# Altium PCB Minion_Rev2.PcbDoc (part 11 of 11) (continued)
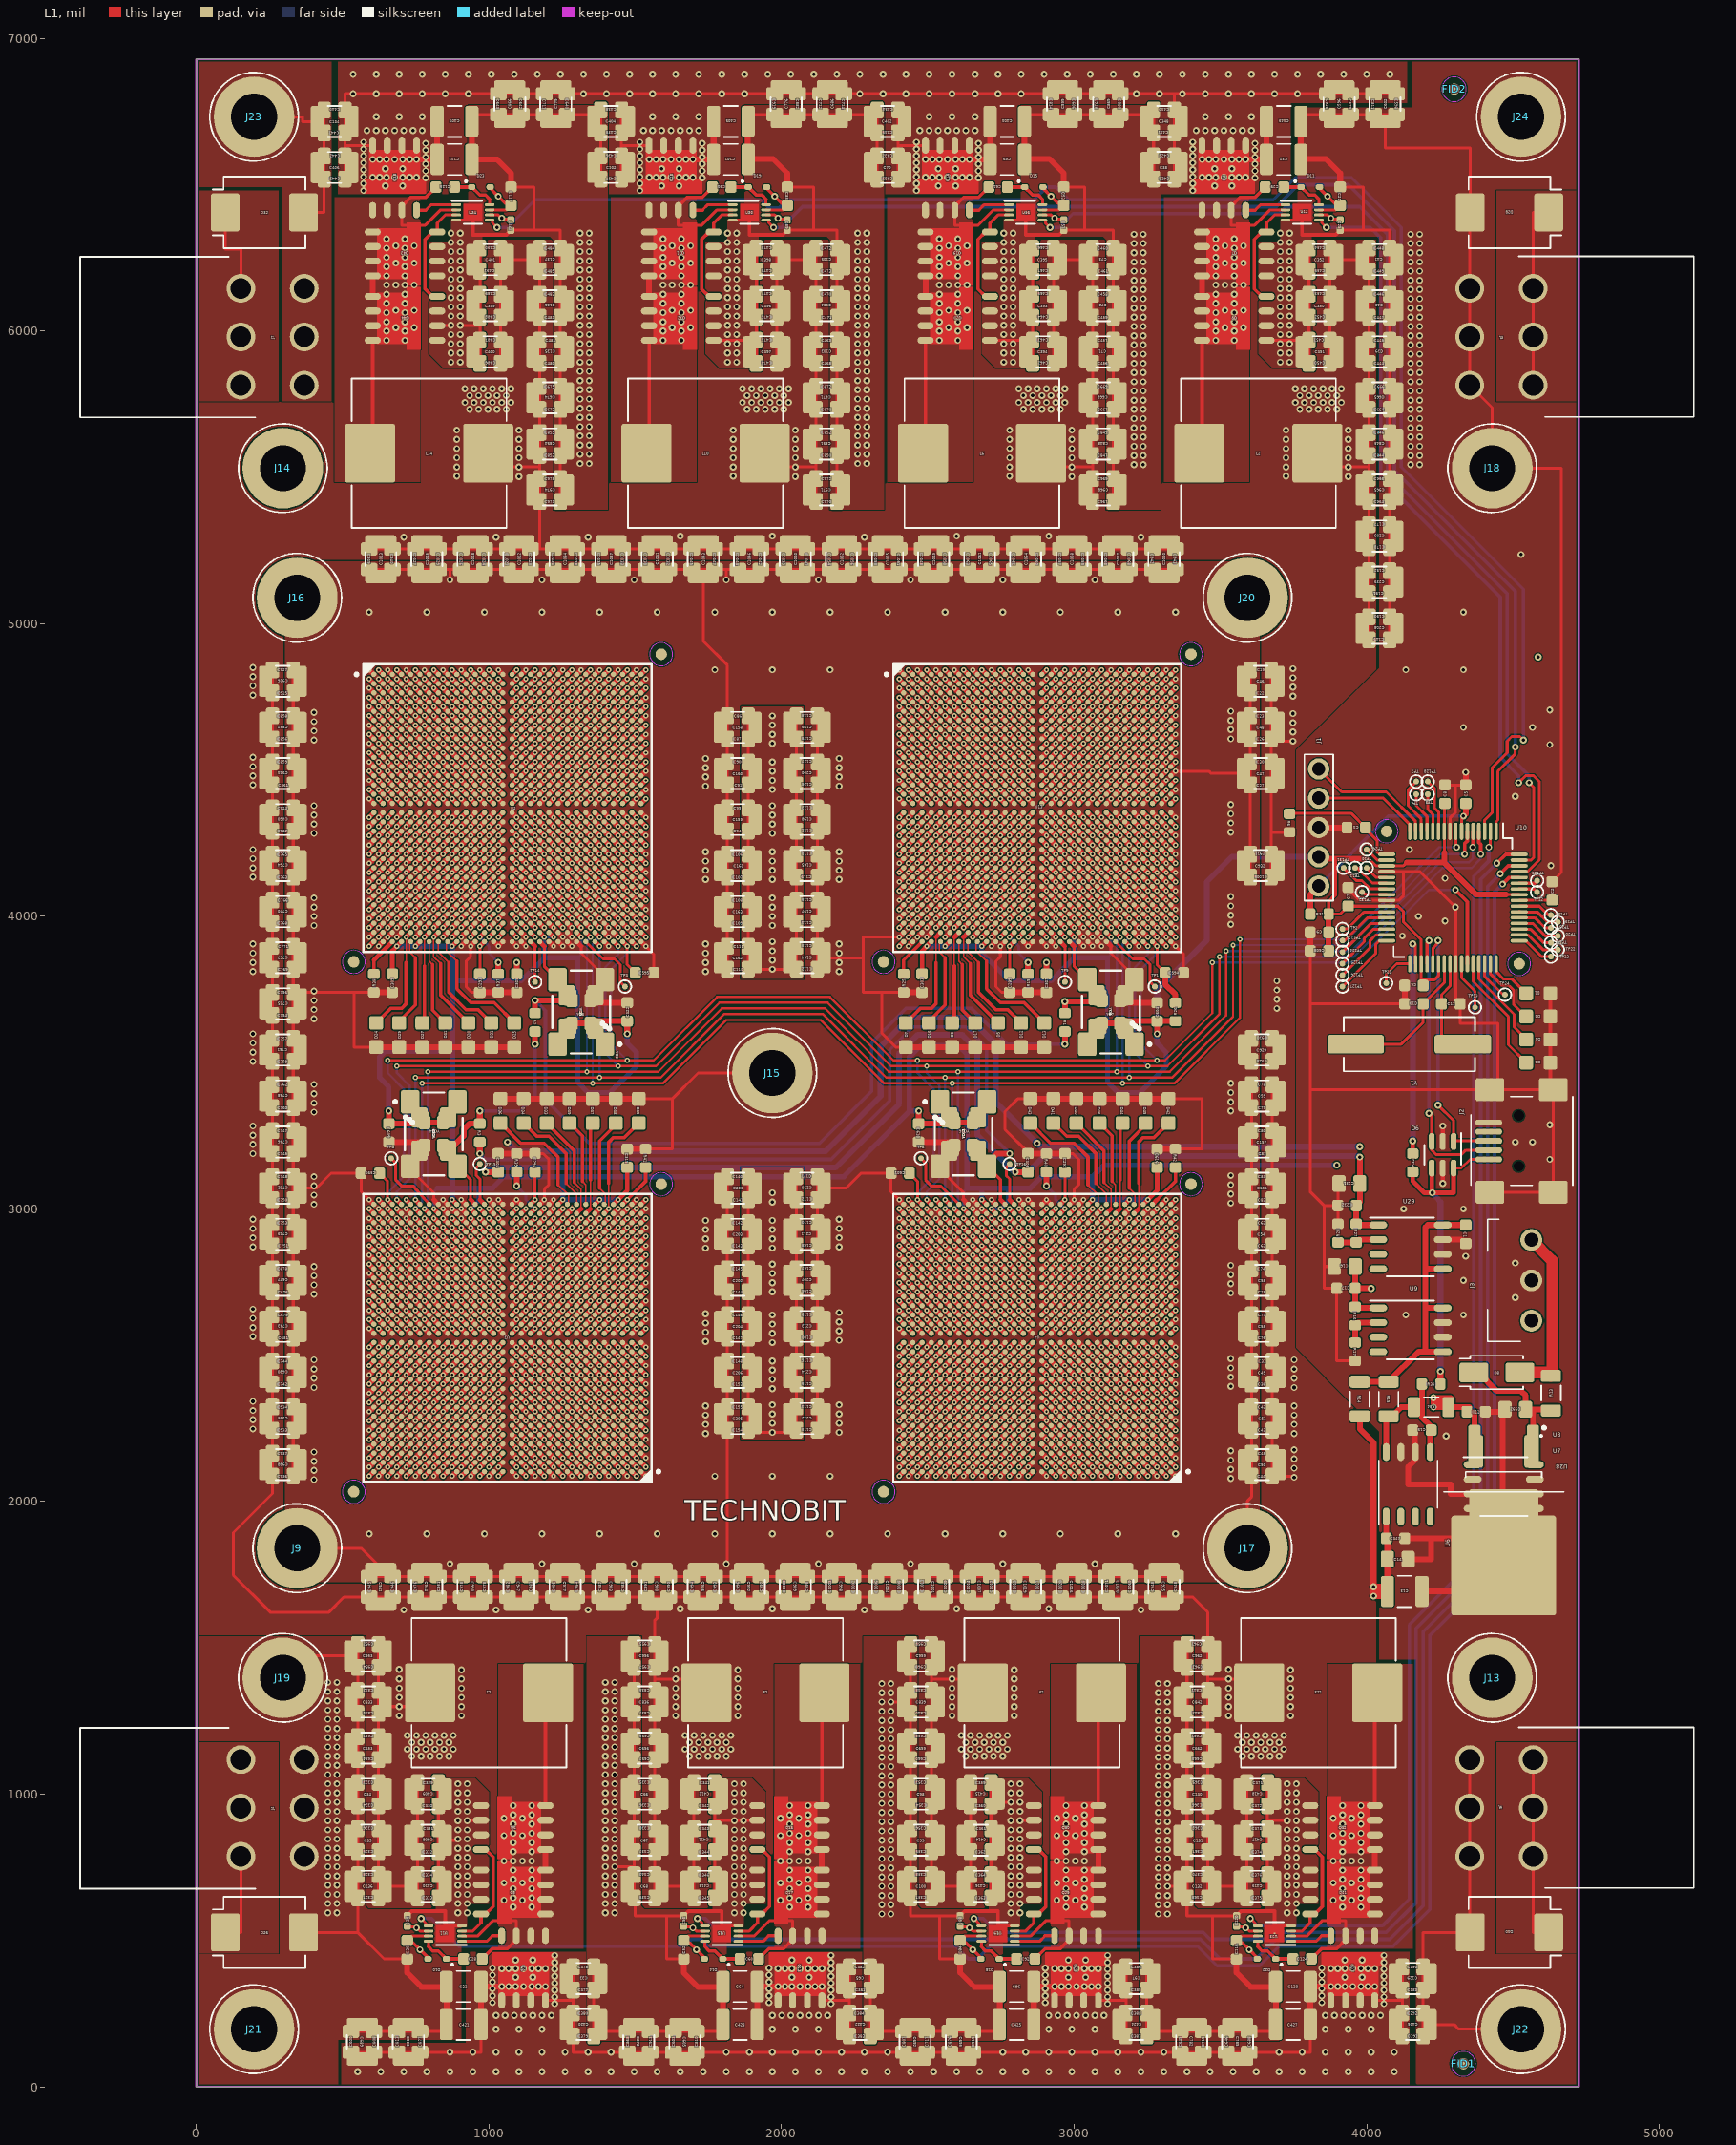
[diagram p0: L1 view]
## Nets (pads, with @x,y where several pads share a name; then routed paths per layer and width w, separated by ;. In a path a pad name is that pad's centre, name@x,y a point inside that pad or via, vN(x,y) a via of type N, cw(c..) or ccw(c..) an arc to the next point about the centre after c; other vN are vias at no path point) (continued)
  L4 w11.81: v2(1972.44,6354.33) 2000,6354.33 2070.87,6425.2 3690.94,6425.2 3765.75,6500 3937.01,6500 4094.49,6342.52 4094.49,5523.62 4507.87,5110.24 v2(4507.87,4578.74)
PWM3L: U10.64 U19.5 | length 5388.9
  L1 w9.84: v2(2657.48,574.8) 2659.68,573.07 2673.23,559.53 2673.23,550.2 U19.5@2683.07,550.2
  L1 w11.81: v2(4444.88,4181.1) 4475.59,4211.81 U10.64@4521.23,4211.81
  L4 w11.81: v2(2657.48,574.8) 2688.98,574.8 2736.22,527.56 3440.94,527.56 3464.57,503.94 3653.54,503.94 3677.17,527.56 4066.93,527.56 4169.29,629.92 4169.29,1566.93 4389.76,1787.4 4389.76,4125.98 v2(4444.88,4181.1)
PWM4H: U10.3 U24.5 | length 5661.9
  L1 w9.84: U24.5@1001.97,6378.94 1011.81,6378.94 1011.81,6369.61 1025.35,6356.06 v2(1027.56,6354.33) ; U10.3@4403.12,4290.55 4403.12,4328.32 4429.13,4354.33 4429.13,4507.87 4480.31,4559.06 4480.31,4598.43 4496.06,4614.17 4523.62,4614.17 v2(4535.43,4602.36)
  L4 w11.81: v2(1027.56,6354.33) 1062.99,6354.33 1157.48,6448.82 1929.13,6448.82 1956.69,6421.26 1992.13,6421.26 2019.68,6448.82 2862.2,6448.82 2905.51,6492.13 2937.01,6492.13 2980.31,6448.82 3681.1,6448.82 3755.91,6523.62 3948.82,6523.62 4118.11,6354.33 4118.11,5535.43 4535.43,5118.11 v2(4535.43,4602.36)
PWM4L: U10.2 U23.5 | length 4405.7
  L1 w9.84: v2(3602.36,574.8) 3604.57,573.07 3618.11,559.53 3618.11,550.2 U23.5@3627.95,550.2 ; v2(4417.32,4236.22) 4410.99,4236.22 4415.38,4239.14 4422.8,4244.09 U10.2@4422.8,4290.55
  L4 w11.81: v2(3602.36,574.8) 3625.98,551.18 4055.12,551.18 4145.67,641.73 4145.67,1578.74 4366.14,1799.21 4366.14,4137.8 4417.32,4188.98 v2(4417.32,4236.22)
RED: D1.2 U10.48 | length 160.5
  L1 w9.84: U10.48@4442.49,3837.79 4442.49,3811.02 4468.29,3785.22 4496.27,3785.22 D1.2@4545.28,3736.22
RESET_ASIC: C594.1 C595.1 C597.1 C601.1 R26.2 U2.AK28 U3.AK28 U4.AK28 U10.43 U13.AK28 | length 6970.4
  L1 w7.87: v1(653.54,3507.87) v1(1472.44,3507.87) 1562.99,3507.87 1779.53,3724.41 2165.35,3724.41 2381.89,3507.87 v1(2464.57,3507.87) v1(3283.46,3507.87) 3311.02,3507.87 3472.44,3669.29 v1(3472.44,3842.52)
  L1 w9.84: C597.1@625.98,3122.05 653.54,3094.49 v1(653.54,3031.5) ; v1(1472.44,3897.64) 1472.44,3834.65 C595.1@1500,3807.09 ; C601.1@2437.01,3122.05 2464.57,3094.49 v1(2464.57,3031.5) ; v1(3283.46,3897.64) 3283.46,3834.65 C594.1@3311.02,3807.09
  L1 w11.81: v2(4303.15,4090.55) 4344.06,4049.64 U10.43@4344.06,3837.79
  L1 w15.75: v1(653.54,3031.5) U3.AK28@669.29,3015.75 ; U2.AK28@1456.69,3913.39 v1(1472.44,3897.64) ; v1(2464.57,3031.5) U4.AK28@2480.31,3015.75 ; U13.AK28@3267.72,3913.39 v1(3283.46,3897.64)
  L1 w19.68: C594.1@3311.02,3807.09 3311.02,3767.72 3346.46,3732.28 R26.2@3346.46,3704.72
  L4 w7.87: v1(653.54,3031.5) 653.54,3055.12 708.66,3110.24 708.66,3409.45 653.54,3464.57 v1(653.54,3507.87) ; v1(1472.44,3507.87) 1417.32,3562.99 1417.32,3818.9 1472.44,3874.02 v1(1472.44,3897.64) ; v1(2464.57,3031.5) 2464.57,3055.12 2519.68,3110.24 2519.68,3409.45 2464.57,3464.57 v1(2464.57,3507.87) ; v1(3283.46,3507.87) 3228.35,3562.99 3228.35,3818.9 3283.46,3874.02 v1(3283.46,3897.64) ; v1(3472.44,3842.52) 3964.57,3842.52 4212.6,4090.55 v2(4303.15,4090.55)
SPI_CS: U2.AJ25 U3.AJ25 U4.AJ25 U10.8 U13.AJ25 | length 6249.2
  L1 w7.87: v1(771.65,3429.13) v1(1354.33,3429.13) 1594.49,3429.13 1811.02,3645.67 2133.86,3645.67 2350.39,3429.13 v1(2582.68,3429.13) v1(3165.35,3429.13) 3342.52,3429.13 3566.93,3653.54 v1(3566.93,3921.26)
  L1 w11.81: U10.8@4304.69,4290.55 4304.69,4236.22 v2(4307.09,4236.22)
  L1 w15.75: v1(748.03,3000) U3.AJ25@763.78,2984.25 ; U2.AJ25@1362.2,3944.88 v1(1377.95,3929.13) ; v1(2559.06,3000) U4.AJ25@2574.8,2984.25 ; U13.AJ25@3173.23,3944.88 v1(3188.98,3929.13)
  L4 w7.87: v1(748.03,3000) 771.65,3023.62 v1(771.65,3429.13) ; v1(1354.33,3429.13) 1354.33,3905.51 v1(1377.95,3929.13) ; v1(2559.06,3000) 2582.68,3023.62 v1(2582.68,3429.13) ; v1(3165.35,3429.13) 3165.35,3905.51 v1(3188.98,3929.13) ; v1(3566.93,3921.26) 3933.07,3921.26 4248.03,4236.22 v2(4307.09,4236.22)
SPI_MISO: U2.AJ24 U3.AJ24 U4.AJ24 U10.5 U13.AJ24 | length 6243.3
  L1 w7.87: v1(791.34,3468.5) v1(1334.65,3468.5) 1578.74,3468.5 1795.28,3685.04 2149.61,3685.04 2366.14,3468.5 v1(2602.36,3468.5) v1(3145.67,3468.5) 3326.77,3468.5 3519.68,3661.42 v1(3519.68,3881.89)
  L1 w11.81: v2(4362.2,4236.22) 4363.75,4236.22 U10.5@4363.75,4290.55
  L1 w15.75: v1(779.53,3000) U3.AJ24@795.28,2984.25 ; U2.AJ24@1330.71,3944.88 v1(1346.46,3929.13) ; v1(2590.55,3000) U4.AJ24@2606.3,2984.25 ; U13.AJ24@3141.73,3944.88 v1(3157.48,3929.13)
  L4 w7.87: v1(779.53,3000) 791.34,3011.81 v1(791.34,3468.5) ; v1(1334.65,3468.5) 1334.65,3917.32 v1(1346.46,3929.13) ; v1(2590.55,3000) 2602.36,3011.81 v1(2602.36,3468.5) ; v1(3145.67,3468.5) 3145.67,3917.32 v1(3157.48,3929.13) ; v1(3519.68,3881.89) 3948.82,3881.89 4251.97,4185.04 4350.39,4185.04 4362.2,4196.85 v2(4362.2,4236.22)
SPI_MOSI: U2.AK25 U3.AK25 U4.AK25 U10.6 U13.AK25 | length 6128.6
  L1 w7.87: v1(748.03,3448.82) v1(1377.95,3448.82) 1586.61,3448.82 1803.15,3665.35 2141.73,3665.35 2358.27,3448.82 v1(2559.06,3448.82) v1(3188.98,3448.82) 3334.65,3448.82 3543.31,3657.48 v1(3543.31,3901.57)
  L1 w11.81: v2(4334.65,4212.6) 4334.65,4248.03 4344.06,4257.45 U10.6@4344.06,4290.55
  L1 w15.75: v1(748.03,3031.5) U3.AK25@763.78,3015.75 ; U2.AK25@1362.2,3913.39 v1(1377.95,3897.64) ; v1(2559.06,3031.5) U4.AK25@2574.8,3015.75 ; U13.AK25@3173.23,3913.39 v1(3188.98,3897.64)
  L4 w7.87: v1(748.03,3031.5) v1(748.03,3448.82) ; v1(1377.95,3448.82) v1(1377.95,3897.64) ; v1(2559.06,3031.5) v1(2559.06,3448.82) ; v1(3188.98,3448.82) v1(3188.98,3897.64) ; v1(3543.31,3901.57) 3940.94,3901.57 4251.97,4212.6 v2(4334.65,4212.6)
SPI_SCK: U2.AK27 U3.AK27 U4.AK27 U10.4 U13.AK27 | length 6354.2
  L1 w7.87: v1(685.04,3488.19) v1(1440.94,3488.19) 1570.87,3488.19 1787.4,3704.72 2157.48,3704.72 2374.02,3488.19 v1(2496.06,3488.19) v1(3251.97,3488.19) 3318.9,3488.19 3496.06,3665.35 v1(3496.06,3862.2)
  L1 w11.81: U10.4@4383.43,4290.55 4383.43,4251.97 4389.76,4245.64 v2(4389.76,4212.6)
  L1 w15.75: v1(685.04,3031.5) U3.AK27@700.79,3015.75 ; U2.AK27@1425.2,3913.39 v1(1440.94,3897.64) ; v1(2496.06,3031.5) U4.AK27@2511.81,3015.75 ; U13.AK27@3236.22,3913.39 v1(3251.97,3897.64)
  L4 w7.87: v1(685.04,3031.5) 685.04,3059.06 728.35,3102.36 728.35,3421.26 685.04,3464.57 v1(685.04,3488.19) ; v1(1440.94,3488.19) 1397.64,3531.5 1397.64,3826.77 1440.94,3870.08 v1(1440.94,3897.64) ; v1(2496.06,3031.5) 2496.06,3059.06 2539.37,3102.36 2539.37,3421.26 2496.06,3464.57 v1(2496.06,3488.19) ; v1(3251.97,3488.19) 3208.66,3531.5 3208.66,3826.77 3251.97,3870.08 v1(3251.97,3897.64) ; v1(3496.06,3862.2) 3956.69,3862.2 4259.84,4165.35 4358.27,4165.35 4389.76,4196.85 v2(4389.76,4212.6)
SWN1: C28.2 L1.1 Q1.1 Q1.2 Q1.3 Q5.5 Q5.6 Q5.7 Q5.8 Q6.5 Q6.6 Q6.7 Q6.8 U11.2 | length 881.6
  L1 w9.84: U11.2@907.48,514.76 960.63,514.76 1012.8,566.93 1093.11,566.93 Q1.3@1093.11,515.75
  L1 w11.81: C28.2@976.38,437.01 1011.81,472.44 1062.99,472.44 1094.49,503.94 1094.49,514.37 Q1.3@1093.11,515.75 ; Q6.8@1192.91,960.83 1192.91,1346.46 L1.1@1201.77,1346.46
  L1 w19.68: Q5.8@1192.91,740.35 Q6.5@1192.91,810.84
  other v2: 1082.68,614.17 1145.67,614.17 1051.18,637.8 1114.17,637.8 1082.68,645.67 1145.67,645.67 1082.68,677.17 1145.67,677.17 1051.18,696.85 1114.17,696.85 1082.68,708.66 1145.67,708.66 1082.68,740.16 1145.67,740.16 1051.18,771.65 1082.68,771.65 1114.17,771.65 1145.67,771.65 1082.68,803.15 1145.67,803.15 1082.68,834.65 1145.67,834.65 1051.18,858.27 1114.17,858.27 1082.68,866.14 1145.67,866.14 1082.68,897.64 1145.67,897.64 1051.18,917.32 1114.17,917.32 1082.68,929.13 1145.67,929.13 1082.68,960.63 1145.67,960.63
SWN2: C60.2 L5.1 Q13.1 Q13.2 Q13.3 Q17.5 Q17.6 Q17.7 Q17.8 Q18.5 Q18.6 Q18.7 Q18.8 U15.2 | length 881.6
  L1 w9.84: U15.2@1852.36,514.76 1905.51,514.76 1957.68,566.93 2037.99,566.93 Q13.3@2037.99,515.75
  L1 w11.81: C60.2@1921.26,437.01 1956.69,472.44 2007.87,472.44 2039.37,503.94 2039.37,514.37 Q13.3@2037.99,515.75 ; Q18.8@2137.8,960.83 2137.8,1346.46 L5.1@2146.65,1346.46
  L1 w19.68: Q17.8@2137.8,740.35 Q18.5@2137.8,810.84
  other v2: 2027.56,614.17 2090.55,614.17 1996.06,637.8 2059.06,637.8 2027.56,645.67 2090.55,645.67 2027.56,677.17 2090.55,677.17 1996.06,696.85 2059.06,696.85 2027.56,708.66 2090.55,708.66 2027.56,740.16 2090.55,740.16 1996.06,771.65 2027.56,771.65 2059.06,771.65 2090.55,771.65 2027.56,803.15 2090.55,803.15 2027.56,834.65 2090.55,834.65 1996.06,858.27 2059.06,858.27 2027.56,866.14 2090.55,866.14 2027.56,897.64 2090.55,897.64 1996.06,917.32 2059.06,917.32 2027.56,929.13 2090.55,929.13 2027.56,960.63 2090.55,960.63
SWN3: C92.2 L9.1 Q25.1 Q25.2 Q25.3 Q29.5 Q29.6 Q29.7 Q29.8 Q30.5 Q30.6 Q30.7 Q30.8 U19.2 | length 881.6
  L1 w9.84: U19.2@2797.24,514.76 2850.39,514.76 2902.56,566.93 2982.87,566.93 Q25.3@2982.87,515.75
  L1 w11.81: C92.2@2866.14,437.01 2901.57,472.44 2952.76,472.44 2984.25,503.94 2984.25,514.37 Q25.3@2982.87,515.75 ; Q30.8@3082.68,960.83 3082.68,1346.46 L9.1@3091.54,1346.46
  L1 w19.68: Q29.8@3082.68,740.35 Q30.5@3082.68,810.84
  other v2: 2972.44,614.17 3035.43,614.17 2940.94,637.8 3003.94,637.8 2972.44,645.67 3035.43,645.67 2972.44,677.17 3035.43,677.17 2940.94,696.85 3003.94,696.85 2972.44,708.66 3035.43,708.66 2972.44,740.16 3035.43,740.16 2940.94,771.65 2972.44,771.65 3003.94,771.65 3035.43,771.65 2972.44,803.15 3035.43,803.15 2972.44,834.65 3035.43,834.65 2940.94,858.27 3003.94,858.27 2972.44,866.14 3035.43,866.14 2972.44,897.64 3035.43,897.64 2940.94,917.32 3003.94,917.32 2972.44,929.13 3035.43,929.13 2972.44,960.63 3035.43,960.63
SWN4: C124.2 L13.1 Q37.1 Q37.2 Q37.3 Q41.5 Q41.6 Q41.7 Q41.8 Q42.5 Q42.6 Q42.7 Q42.8 U23.2 | length 881.6
  L1 w9.84: U23.2@3742.13,514.76 3795.28,514.76 3847.44,566.93 3927.76,566.93 Q37.3@3927.76,515.75
  L1 w11.81: C124.2@3811.02,437.01 3846.46,472.44 3897.64,472.44 3929.13,503.94 3929.13,514.37 Q37.3@3927.76,515.75 ; Q42.8@4027.56,960.83 4027.56,1346.46 L13.1@4036.42,1346.46
  L1 w19.68: Q41.8@4027.56,740.35 Q42.5@4027.56,810.84
  other v2: 3917.32,614.17 3980.31,614.17 3885.83,637.8 3948.82,637.8 3917.32,645.67 3980.31,645.67 3917.32,677.17 3980.31,677.17 3885.83,696.85 3948.82,696.85 3917.32,708.66 3980.31,708.66 3917.32,740.16 3980.31,740.16 3885.83,771.65 3917.32,771.65 3948.82,771.65 3980.31,771.65 3917.32,803.15 3980.31,803.15 3917.32,834.65 3980.31,834.65 3885.83,858.27 3948.82,858.27 3917.32,866.14 3980.31,866.14 3917.32,897.64 3980.31,897.64 3885.83,917.32 3948.82,917.32 3917.32,929.13 3980.31,929.13 3917.32,960.63 3980.31,960.63
SWN5: C29.2 L2.1 Q2.1 Q2.2 Q2.3 Q7.5 Q7.6 Q7.7 Q7.8 Q8.5 Q8.6 Q8.7 Q8.8 U12.2 | length 881.6
  L1 w9.84: Q2.3@3536.81,6413.39 3536.81,6362.2 3617.13,6362.2 3669.29,6414.37 U12.2@3722.44,6414.37
  L1 w11.81: L2.1@3428.15,5582.68 3437.01,5582.68 Q8.8@3437.01,5968.31 ; Q2.3@3536.81,6413.39 3535.43,6414.76 3535.43,6425.2 3566.93,6456.69 3618.11,6456.69 C29.2@3653.54,6492.13
  L1 w19.68: Q8.5@3437.01,6118.29 Q7.8@3437.01,6188.78
  other v2: 3484.25,5968.5 3547.24,5968.5 3484.25,6000 3547.24,6000 3515.75,6011.81 3578.74,6011.81 3484.25,6031.5 3547.24,6031.5 3484.25,6062.99 3547.24,6062.99 3515.75,6070.87 3578.74,6070.87 3484.25,6094.49 3547.24,6094.49 3484.25,6125.98 3547.24,6125.98 3484.25,6157.48 3515.75,6157.48 3547.24,6157.48 3578.74,6157.48 3484.25,6188.98 3547.24,6188.98 3484.25,6220.47 3547.24,6220.47 3515.75,6232.28 3578.74,6232.28 3484.25,6251.97 3547.24,6251.97 3484.25,6283.46 3547.24,6283.46 3515.75,6291.34 3578.74,6291.34 3484.25,6314.96 3547.24,6314.96
SWN6: C61.2 L6.1 Q14.1 Q14.2 Q14.3 Q19.5 Q19.6 Q19.7 Q19.8 Q20.5 Q20.6 Q20.7 Q20.8 U16.2 | length 881.6
  L1 w9.84: Q14.3@2591.93,6413.39 2591.93,6362.2 2672.24,6362.2 2724.41,6414.37 U16.2@2777.56,6414.37
  L1 w11.81: L6.1@2483.27,5582.68 2492.13,5582.68 Q20.8@2492.13,5968.31 ; Q14.3@2591.93,6413.39 2590.55,6414.76 2590.55,6425.2 2622.05,6456.69 2673.23,6456.69 C61.2@2708.66,6492.13
  L1 w19.68: Q20.5@2492.13,6118.29 Q19.8@2492.13,6188.78
  other v2: 2539.37,5968.5 2602.36,5968.5 2539.37,6000 2602.36,6000 2570.87,6011.81 2633.86,6011.81 2539.37,6031.5 2602.36,6031.5 2539.37,6062.99 2602.36,6062.99 2570.87,6070.87 2633.86,6070.87 2539.37,6094.49 2602.36,6094.49 2539.37,6125.98 2602.36,6125.98 2539.37,6157.48 2570.87,6157.48 2602.36,6157.48 2633.86,6157.48 2539.37,6188.98 2602.36,6188.98 2539.37,6220.47 2602.36,6220.47 2570.87,6232.28 2633.86,6232.28 2539.37,6251.97 2602.36,6251.97 2539.37,6283.46 2602.36,6283.46 2570.87,6291.34 2633.86,6291.34 2539.37,6314.96 2602.36,6314.96
SWN7: C93.2 L10.1 Q26.1 Q26.2 Q26.3 Q31.5 Q31.6 Q31.7 Q31.8 Q32.5 Q32.6 Q32.7 Q32.8 U20.2 | length 881.6
  L1 w9.84: Q26.3@1647.05,6413.39 1647.05,6362.2 1727.36,6362.2 1779.53,6414.37 U20.2@1832.68,6414.37
  L1 w11.81: L10.1@1538.39,5582.68 1547.24,5582.68 Q32.8@1547.24,5968.31 ; Q26.3@1647.05,6413.39 1645.67,6414.76 1645.67,6425.2 1677.17,6456.69 1728.35,6456.69 C93.2@1763.78,6492.13
  L1 w19.68: Q32.5@1547.24,6118.29 Q31.8@1547.24,6188.78
  other v2: 1594.49,5968.5 1657.48,5968.5 1594.49,6000 1657.48,6000 1625.98,6011.81 1688.98,6011.81 1594.49,6031.5 1657.48,6031.5 1594.49,6062.99 1657.48,6062.99 1625.98,6070.87 1688.98,6070.87 1594.49,6094.49 1657.48,6094.49 1594.49,6125.98 1657.48,6125.98 1594.49,6157.48 1625.98,6157.48 1657.48,6157.48 1688.98,6157.48 1594.49,6188.98 1657.48,6188.98 1594.49,6220.47 1657.48,6220.47 1625.98,6232.28 1688.98,6232.28 1594.49,6251.97 1657.48,6251.97 1594.49,6283.46 1657.48,6283.46 1625.98,6291.34 1688.98,6291.34 1594.49,6314.96 1657.48,6314.96
SWN8: C125.2 L14.1 Q38.1 Q38.2 Q38.3 Q43.5 Q43.6 Q43.7 Q43.8 Q44.5 Q44.6 Q44.7 Q44.8 U24.2 | length 881.6
  L1 w9.84: Q38.3@702.17,6413.39 702.17,6362.2 782.48,6362.2 834.65,6414.37 U24.2@887.8,6414.37
  L1 w11.81: L14.1@593.5,5582.68 602.36,5582.68 Q44.8@602.36,5968.31 ; Q38.3@702.17,6413.39 700.79,6414.76 700.79,6425.2 732.28,6456.69 783.46,6456.69 C125.2@818.9,6492.13
  L1 w19.68: Q44.5@602.36,6118.29 Q43.8@602.36,6188.78
  other v2: 649.61,5968.5 712.6,5968.5 649.61,6000 712.6,6000 681.1,6011.81 744.09,6011.81 649.61,6031.5 712.6,6031.5 649.61,6062.99 712.6,6062.99 681.1,6070.87 744.09,6070.87 649.61,6094.49 712.6,6094.49 649.61,6125.98 712.6,6125.98 649.61,6157.48 681.1,6157.48 712.6,6157.48 744.09,6157.48 649.61,6188.98 712.6,6188.98 649.61,6220.47 712.6,6220.47 681.1,6232.28 744.09,6232.28 649.61,6251.97 712.6,6251.97 649.61,6283.46 712.6,6283.46 681.1,6291.34 744.09,6291.34 649.61,6314.96 712.6,6314.96
TEST_MODE1: R25.2 U13.AK3 | length 136.3
  L1 w11.81: R25.2@2417.32,3803.15 2417.32,3850.39 U13.AK3@2480.31,3913.39
TEST_MODE2: R38.2 U2.AK3 | length 136.3
  L1 w11.81: R38.2@606.3,3803.15 606.3,3850.39
  L1 w15.75: 606.3,3850.39 U2.AK3@669.29,3913.39
TEST_MODE3: R41.2 U3.AK3 | length 158.6
  L1 w11.81: v1(1472.44,3031.5) 1535.43,3094.49 R41.2@1535.43,3141.73
  L1 w15.75: U3.AK3@1456.69,3015.75 v1(1472.44,3031.5)
TEST_MODE4: R42.2 U4.AK3 | length 158.6
  L1 w11.81: 3283.46,3031.5 3346.46,3094.49 R42.2@3346.46,3141.73
  L1 w15.75: U4.AK3@3267.72,3015.75 3283.46,3031.5
USB5.0V: D6.4 D6.6 J2.1 R32.1 R33.2 | length 1152.5
  L1 w9.84: D6.6@4297.24,3139.76 4322.83,3139.76 4354.33,3169.29 J2.1@4417.32,3169.29
  L1 w15.75: R32.1@4157.48,3125.98 4157.48,3094.49 4196.85,3055.12 v2@4222.44,3055.12 ; D6.4@4222.44,3139.76 v2@4222.44,3055.12 ; D6.6@4297.24,3139.76 4297.24,3055.12 v2(4224.41,3055.12) v2@4222.44,3055.12
  L1 w19.68: R33.2@4251.97,2401.57 v2(4251.97,2444.88)
  L4 w19.68: v2(4224.41,3055.12) 4251.97,3023.62 v2(4251.97,2444.88)
VCAP: C2.1 U10.56 | length 113
  L1 w9.84: U10.56@4521.23,4054.33 4622.05,4054.33 4622.84,4055.12 C2.1@4633.86,4055.12
XCLK1: R1.1 U13.AK19 YO4.3 YO5.3 YO6.3 YO7.3 | length 416.9
  L1 w9.84: 3000,3897.64 3000,3828.74 YO7.3@3045.28,3783.46 3076.77,3751.97 YO6.3@3076.77,3730.32 3084.65,3722.44 YO5.3@3086.61,3722.44 3094.49,3714.57 YO4.3@3094.49,3712.6
  L1 w15.75: U13.AK19@2984.25,3913.39 3000,3897.64
  L1 w19.68: R1.1@2968.5,3669.29 v2(2968.5,3708.66) 3094.49,3708.66 YO4.3@3094.49,3712.6
XCLK2: R1.2 R2.1 U2.AK19 YO1.3 YO2.3 YO3.3 YO8.3 | length 2990
  L1 w9.84: 1188.98,3897.64 1188.98,3828.74 YO8.3@1234.25,3783.46
  L1 w15.75: U2.AK19@1173.23,3913.39 1188.98,3897.64
  L1 w19.68: R2.1@1157.48,3669.29 v2(1157.48,3712.6) YO1.3@1283.46,3712.6 YO3.3@1275.59,3720.47 ; YO8.3@1234.25,3783.46 1265.75,3751.97 YO3.3@1265.75,3730.32 1274.61,3721.46 YO3.3@1275.59,3720.47 ; YO2.3@1275.59,3722.44 YO3.3@1275.59,3720.47 ; v2(2968.5,3562.99) R1.2@2968.5,3606.3
  L4 w11.81: v2(1157.48,3712.6) 1192.91,3677.17 1192.91,3374.02 1342.52,3224.41 2129.92,3224.41 2307.09,3401.57 2307.09,3566.93 2425.2,3685.04 2649.61,3685.04 2771.65,3562.99 v2(2968.5,3562.99)
XCLK3: R2.2 R3.1 U3.AK19 YO9.3 YO10.3 YO13.3 YO14.3 | length 882.5
  L1 w9.84: YO14.3@891.73,3145.67 937.01,3100.39 937.01,3031.5
  L1 w15.75: 937.01,3031.5 U3.AK19@952.76,3015.75
  L1 w19.68: YO9.3@842.52,3216.54 842.52,3214.57 YO10.3@850.39,3206.69 YO13.3@860.24,3196.85 ; YO13.3@860.24,3198.82 YO13.3@860.24,3196.85 ; YO14.3@891.73,3145.67 860.24,3177.17 YO13.3@860.24,3196.85 ; v2(968.5,3334.65) R3.1@968.5,3291.34 933.07,3291.34 913.39,3271.65 913.39,3250 YO13.3@860.24,3196.85 ; v2(1157.48,3562.99) R2.2@1157.48,3606.3
  L4 w11.81: v2(968.5,3334.65) 1106.3,3334.65 1157.48,3385.83 v2(1157.48,3562.99)
XCLK4: R3.2 U4.AK19 YO11.3 YO12.3 YO15.3 YO16.3 | length 2841.9
  L1 w9.84: YO16.3@2702.76,3145.67 2748.03,3100.39 2748.03,3031.5
  L1 w15.75: 2748.03,3031.5 U4.AK19@2763.78,3015.75
  L1 w19.68: v2(968.5,3188.98) R3.2@968.5,3228.35 ; YO11.3@2653.54,3216.54 YO15.3@2663.39,3206.69 ; YO12.3@2661.42,3206.69 YO15.3@2663.39,3206.69 ; v2(2779.53,3188.98) 2736.22,3188.98 2702.76,3155.51 YO16.3@2702.76,3145.67 2671.26,3177.17 YO15.3@2671.26,3198.82 YO15.3@2663.39,3206.69
  L4 w11.81: v2(968.5,3188.98) 988.19,3169.29 2169.29,3169.29 2370.08,3370.08 2370.08,3543.31 2448.82,3622.05 2629.92,3622.05 2700.79,3551.18 2700.79,3267.72 v2(2779.53,3188.98)
XCLK_OUT1: TP9.1 U13.AK18 | length 144.3
  L1 w9.84: TP9.1@2968.5,3775.59 2968.5,3897.64
  L1 w15.75: U13.AK18@2952.76,3913.39 2968.5,3897.64
XCLK_OUT2: TP14.1 U2.AK18 | length 144.3
  L1 w9.84: TP14.1@1157.48,3775.59 1157.48,3897.64
  L1 w15.75: U2.AK18@1141.73,3913.39 1157.48,3897.64
XCLK_OUT3: TP15.1 U3.AK18 | length 154.1
  L1 w9.84: 968.5,3031.5 968.5,3102.36 956.69,3114.17 956.69,3141.73 TP15.1@968.5,3153.54
  L1 w15.75: 968.5,3031.5 U3.AK18@984.25,3015.75
XCLK_OUT4: TP16.1 U4.AK18 | length 154.1
  L1 w9.84: 2779.53,3031.5 2779.53,3102.36 2767.72,3114.17 2767.72,3141.73 TP16.1@2779.53,3153.54
  L1 w15.75: 2779.53,3031.5 U4.AK18@2795.28,3015.75
YELLOW: D3.2 U10.44 | length 413
  L1 w9.84: U10.44@4363.75,3837.79 4363.75,3777.98 4484.25,3657.48 4484.25,3561.02 D3.2@4545.28,3500
pads on no net: FID1.1 FID2.1 J2.4 J2.10 J2.11 U2.FID1 U2.FID2 U3.FID1 U3.FID2 U4.FID1 U4.FID2 U6.2 U6.3 U6.4 U9.3 U9.4 U10.65 U10.66 U13.FID1 U13.FID2 U29.3 U29.4

## Polygon pours and split planes (outlines as drawn)
12V on L1 "L1-12V" (solid, remove dead copper, pour order 64): 0,1177.17 279.53,1177.17 279.53,456.69 0,456.69
SWN5 on L1 "L1-$1I74\SWN5" (solid, remove dead copper, pour order 73): 3598.43,6456.69 3598.43,5484.25 3307.09,5484.25 3307.09,6456.69
GND on L1 "L1-GND" (solid, remove dead copper, pour order 74): 0,6929.13 460.63,6929.13 460.63,5759.84 291.34,5759.84 291.34,6492.13 0,6492.13
GND on L1 "L1-GND 1" (solid, remove dead copper, pour order 84): 4169.29,0 4169.5,1460.63 4043.31,1460.63 4043.31,2238.9 3759.84,2526.14 3759.84,4567.32 4043.31,4849.3 4043.31,6322.83 3763.78,6322.83 3763.78,6763.78 4153.54,6763.78 4153.54,6929.13 4724.41,6929.13 4724.41,0
GND on L1 "L1-GND 2" (solid, remove dead copper, pour order 85): 3633.86,1724.41 303.15,1724.41 303.15,5212.6 3633.86,5212.6
GND on L1 "L1-GND 3" (solid, remove dead copper, pour order 56): 3629.92,6303.15 3629.92,5921.26 3677.17,5874.02 3811.02,5874.02 3811.02,6437.01 3748.03,6437.01 3748.03,6381.89 3704.72,6381.89 3704.72,6303.15
GND on L1 "L1-GND 4" (solid, remove dead copper, pour order 75): 2464.57,1539.37 2464.57,618.11 2476.38,606.3 2755.91,606.3 2755.91,157.48 2279.53,157.48 2279.53,1539.37
1V on L1 "L1-1V" (solid, remove dead copper, pour order 60): 1862.2,4716.54 2074.8,4716.54 2074.8,3787.4 1862.2,3787.4
12V on L1 "L1-12V 1" (solid, remove dead copper, pour order 62): 0,6480.32 279.53,6480.32 279.53,5759.84 0,5759.84
GND on L1 "L1-GND 5" (solid, remove dead copper, pour order 80): 2165.35,5389.76 2165.35,6311.02 2153.54,6322.83 1874.02,6322.83 1874.02,6771.65 2350.39,6771.65 2350.39,5389.76
GND on L1 "L1-GND 6" (solid, remove dead copper, pour order 55): 2685.04,6303.15 2685.04,5921.26 2732.28,5874.02 2866.14,5874.02 2866.14,6437.01 2803.15,6437.01 2803.15,6381.89 2759.84,6381.89 2759.84,6303.15
GND on L1 "L1-GND 7" (solid, remove dead copper, pour order 79): 3110.24,5389.76 3110.24,6311.02 3098.43,6322.83 2818.9,6322.83 2818.9,6771.65 3295.28,6771.65 3295.28,5389.76
GND on L1 "L1-GND 8" (solid, remove dead copper, pour order 54): 3834.65,625.98 3834.65,1007.87 3787.4,1055.12 3653.54,1055.12 3653.54,492.13 3716.54,492.13 3716.54,547.24 3759.84,547.24 3759.84,625.98
SWN1 on L1 "L1-$1I74\SWN1" (solid, remove dead copper, pour order 72): 1031.5,472.44 1031.5,1444.88 1322.83,1444.88 1322.83,472.44
GND on L1 "L1-GND 9" (solid, remove dead copper, pour order 78): 1220.47,5389.76 1220.47,6311.02 1208.66,6322.83 929.13,6322.83 929.13,6771.65 1405.51,6771.65 1405.51,5389.76
GND on L1 "L1-GND 10" (solid, remove dead copper, pour order 58): 1944.88,625.98 1944.88,1007.87 1897.64,1055.12 1763.78,1055.12 1763.78,492.13 1826.77,492.13 1826.77,547.24 1870.08,547.24 1870.08,625.98
SWN7 on L1 "L1-$1I74\SWN7" (solid, remove dead copper, pour order 66): 1708.66,6456.69 1708.66,5484.25 1417.32,5484.25 1417.32,6456.69
SWN6 on L1 "L1-$1I74\SWN6" (solid, remove dead copper, pour order 68): 2653.54,6456.69 2653.54,5484.25 2362.2,5484.25 2362.2,6456.69
SWN3 on L1 "L1-$1I74\SWN3" (solid, remove dead copper, pour order 70): 2921.26,472.44 2921.26,1444.88 3212.6,1444.88 3212.6,472.44
SWN8 on L1 "L1-$1I74\SWN8" (solid, remove dead copper, pour order 69): 763.78,6456.69 763.78,5484.25 472.44,5484.25 472.44,6456.69
12V on L1 "L1-12V 2" (solid, remove dead copper, pour order 63): 4444.88,6480.32 4724.41,6480.32 4724.41,5759.84 4444.88,5759.84
GND on L1 "L1-GND 11" (solid, remove dead copper, pour order 52): 795.28,6303.15 795.28,5921.26 842.52,5874.02 976.38,5874.02 976.38,6437.01 913.39,6437.01 913.39,6381.89 870.08,6381.89 870.08,6303.15
12V on L1 "L1-12V 3" (solid, remove dead copper, pour order 65): 4444.88,1177.17 4724.41,1177.17 4724.41,456.69 4444.88,456.69
GND on L1 "L1-GND 12" (solid, remove dead copper, pour order 57): 2889.76,625.98 2889.76,1007.87 2842.52,1055.12 2708.66,1055.12 2708.66,492.13 2771.65,492.13 2771.65,547.24 2814.96,547.24 2814.96,625.98
GND on L1 "L1-GND 13" (solid, remove dead copper, pour order 77): 1519.68,1539.37 1519.68,618.11 1531.5,606.3 1811.02,606.3 1811.02,157.48 1334.65,157.48 1334.65,1539.37
12V on L1 "L1-12V 4" (solid, remove dead copper, pour order 83): 484.25,6929.13 4137.8,6929.13 4137.8,6779.53 3740.16,6779.53 3740.16,6468.5 484.25,6468.5
SWN2 on L1 "L1-$1I74\SWN2" (solid, remove dead copper, pour order 71): 1976.38,472.44 1976.38,1444.88 2267.72,1444.88 2267.72,472.44
12V on L1 "L1-12V 5" (solid, remove dead copper, pour order 82): 921.26,460.63 4145.67,460.63 4145.67,0 496.06,0 496.06,149.61 921.26,149.61
1V on L1 "L1-1V 1" (solid, remove dead copper, pour order 86): 4031.5,590.55 0,590.55 0,6311.02 4031.5,6311.02
1V on L1 "L1-1V 2" (solid, remove dead copper, pour order 61): 1862.2,3141.73 2074.8,3141.73 2074.8,2212.6 1862.2,2212.6
SWN4 on L1 "L1-$1I74\SWN4" (solid, remove dead copper, pour order 67): 3866.14,472.44 3866.14,1444.88 4157.48,1444.88 4157.48,472.44
GND on L1 "L1-GND 14" (solid, remove dead copper, pour order 59): 1000,625.98 1000,1007.87 952.76,1055.12 818.9,1055.12 818.9,492.13 881.89,492.13 881.89,547.24 925.2,547.24 925.2,625.98
GND on L1 "L1-GND 15" (solid, remove dead copper, pour order 81): 574.8,1539.37 574.8,618.11 586.61,606.3 905.51,606.3 905.51,161.42 484.25,161.42 484.25,0 0,0 0,1539.37
GND on L1 "L1-GND 16" (solid, remove dead copper, pour order 76): 3409.45,1539.37 3409.45,618.11 3421.26,606.3 3700.79,606.3 3700.79,157.48 3224.41,157.48 3224.41,1539.37
GND on L1 "L1-GND 17" (solid, remove dead copper, pour order 53): 1740.16,6303.15 1740.16,5921.26 1787.4,5874.02 1921.26,5874.02 1921.26,6437.01 1858.27,6437.01 1858.27,6381.89 1814.96,6381.89 1814.96,6303.15
GND on L4 "L4-GND" (solid, remove dead copper, pour order 102): 0,6929.13 4724.41,6929.13 4724.41,0 0,0
SWN6 on L4 "L4-$1I74\SWN6" (solid, remove dead copper, pour order 97): 2732.28,6456.69 2732.28,5484.25 2362.2,5484.25 2362.2,6456.69
SWN5 on L4 "L4-$1I74\SWN5" (solid, remove dead copper, pour order 93): 3677.17,6456.69 3677.17,5484.25 3307.09,5484.25 3307.09,6456.69
SWN4 on L4 "L4-$1I74\SWN4" (solid, remove dead copper, pour order 92): 3787.4,551.18 3787.4,1444.88 4157.48,1444.88 4157.48,551.18
SWN1 on L4 "L4-$1I74\SWN1" (solid, remove dead copper, pour order 95): 952.76,472.44 952.76,1444.88 1322.83,1444.88 1322.83,472.44
SWN2 on L4 "L4-$1I74\SWN2" (solid, remove dead copper, pour order 96): 1897.64,472.44 1897.64,1444.88 2267.72,1444.88 2267.72,472.44
SWN3 on L4 "L4-$1I74\SWN3" (solid, remove dead copper, pour order 94): 2842.52,472.44 2842.52,1444.88 3212.6,1444.88 3212.6,472.44
12V on L4 "L4-12V" (solid, remove dead copper, pour order 101): 4724.41,6925.2 0,6925.2 0,5748.03 303.15,5748.03 303.15,6291.34 476.38,6464.57 4149.61,6464.57 4413.39,6200.79 4413.39,5748.03 4724.41,5748.03
SWN7 on L4 "L4-$1I74\SWN7" (solid, remove dead copper, pour order 99): 1787.4,6456.69 1787.4,5484.25 1417.32,5484.25 1417.32,6456.69
12V on L4 "L4-12V 1" (solid, remove dead copper, pour order 100): 4724.41,0 0,0 0,1177.17 303.15,1177.17 303.15,633.86 476.38,460.63 4149.61,460.63 4413.39,724.41 4413.39,1177.17 4724.41,1177.17
SWN8 on L4 "L4-$1I74\SWN8" (solid, remove dead copper, pour order 98): 842.52,6456.69 842.52,5484.25 472.44,5484.25 472.44,6456.69
12V on L2 "L2-12V" (solid, remove dead copper, pour order 87): 921.26,460.63 4145.67,460.63 4145.67,0 496.06,0 496.06,149.61 921.26,149.61
12V on L2 "L2-12V 1" (solid, remove dead copper, pour order 88): 484.25,6929.13 4137.8,6929.13 4137.8,6779.53 3740.16,6779.53 3740.16,6468.5 484.25,6468.5
GND on L2 "L2-GND" (solid, remove dead copper, pour order 89): 0,0 4724.41,0 4724.41,6929.13 0,6929.13
12V on L3 "L3-12V" (solid, remove dead copper, pour order 91): 0,6929.13 4724.41,6929.13 4724.41,0 0,0
1V on L3 "L3-1V" (solid, remove dead copper, pour order 90): 0,590.55 4031.5,590.55 4031.5,6338.58 0,6338.58

## Keep-outs
Keep-Out Layer:
  the board outline again, w7.87

## Silkscreen, mask and mechanical layers (free items; w line width, h text height)
26_Silkscreen Top:
  text "TECHNOBIT" at 1668.45,1912.58 h118.11

## Text inside footprints (layer, text, board x,y; h text height)
J1: Top Assy "1" at 3873.47,4064.96 h19.68 r90; Top Assy "5" at 3873.47,4531.22 h19.68 r90
J2: Top Assy "1" at 4496.06,3166.95 h19.68 r90; Top Assy "5" at 4496.06,3290.68 h19.68 r90
J3: Top Assy "1" at 4574.8,2562.62 h19.68 r90; Top Assy "3" at 4574.8,2938.32 h19.68 r90
J4: Top Assy "1" at 165.35,720.1 h19.68 r90; Top Assy "6" at 360.23,1173.04 h19.68 r90; Top Assy "3" at 165.35,1172.57 h19.68 r90; Top Assy "4" at 360.23,715.41 h19.68 r90
J5: Top Assy "1" at 4555.12,6212.97 h19.68 r270; Top Assy "6" at 4360.24,5760.03 h19.68 r270; Top Assy "3" at 4555.12,5760.5 h19.68 r270; Top Assy "4" at 4360.24,6217.66 h19.68 r270
J6: Top Assy "1" at 4555.12,1185.41 h19.68 r270; Top Assy "6" at 4360.24,732.47 h19.68 r270; Top Assy "3" at 4555.12,732.94 h19.68 r270; Top Assy "4" at 4360.24,1190.1 h19.68 r270
J7: Top Assy "1" at 165.35,5747.66 h19.68 r90; Top Assy "6" at 360.23,6200.6 h19.68 r90; Top Assy "3" at 165.35,6200.13 h19.68 r90; Top Assy "4" at 360.23,5742.97 h19.68 r90